# Altium PCB PCB_MAIN.PcbDoc (part 2 of 2)
Units mil, origin at the board's own origin, x right, y up, seen from the top; angles counter-clockwise.
Board outline 2354.33 x 2689.22 mil, 2 copper layers (Top Layer, Bottom Layer), stack 63.858 mil thick; 107 components, 70 nets, 334 pads, 370 vias.
Unrouted connection lines stored in the file: 1.
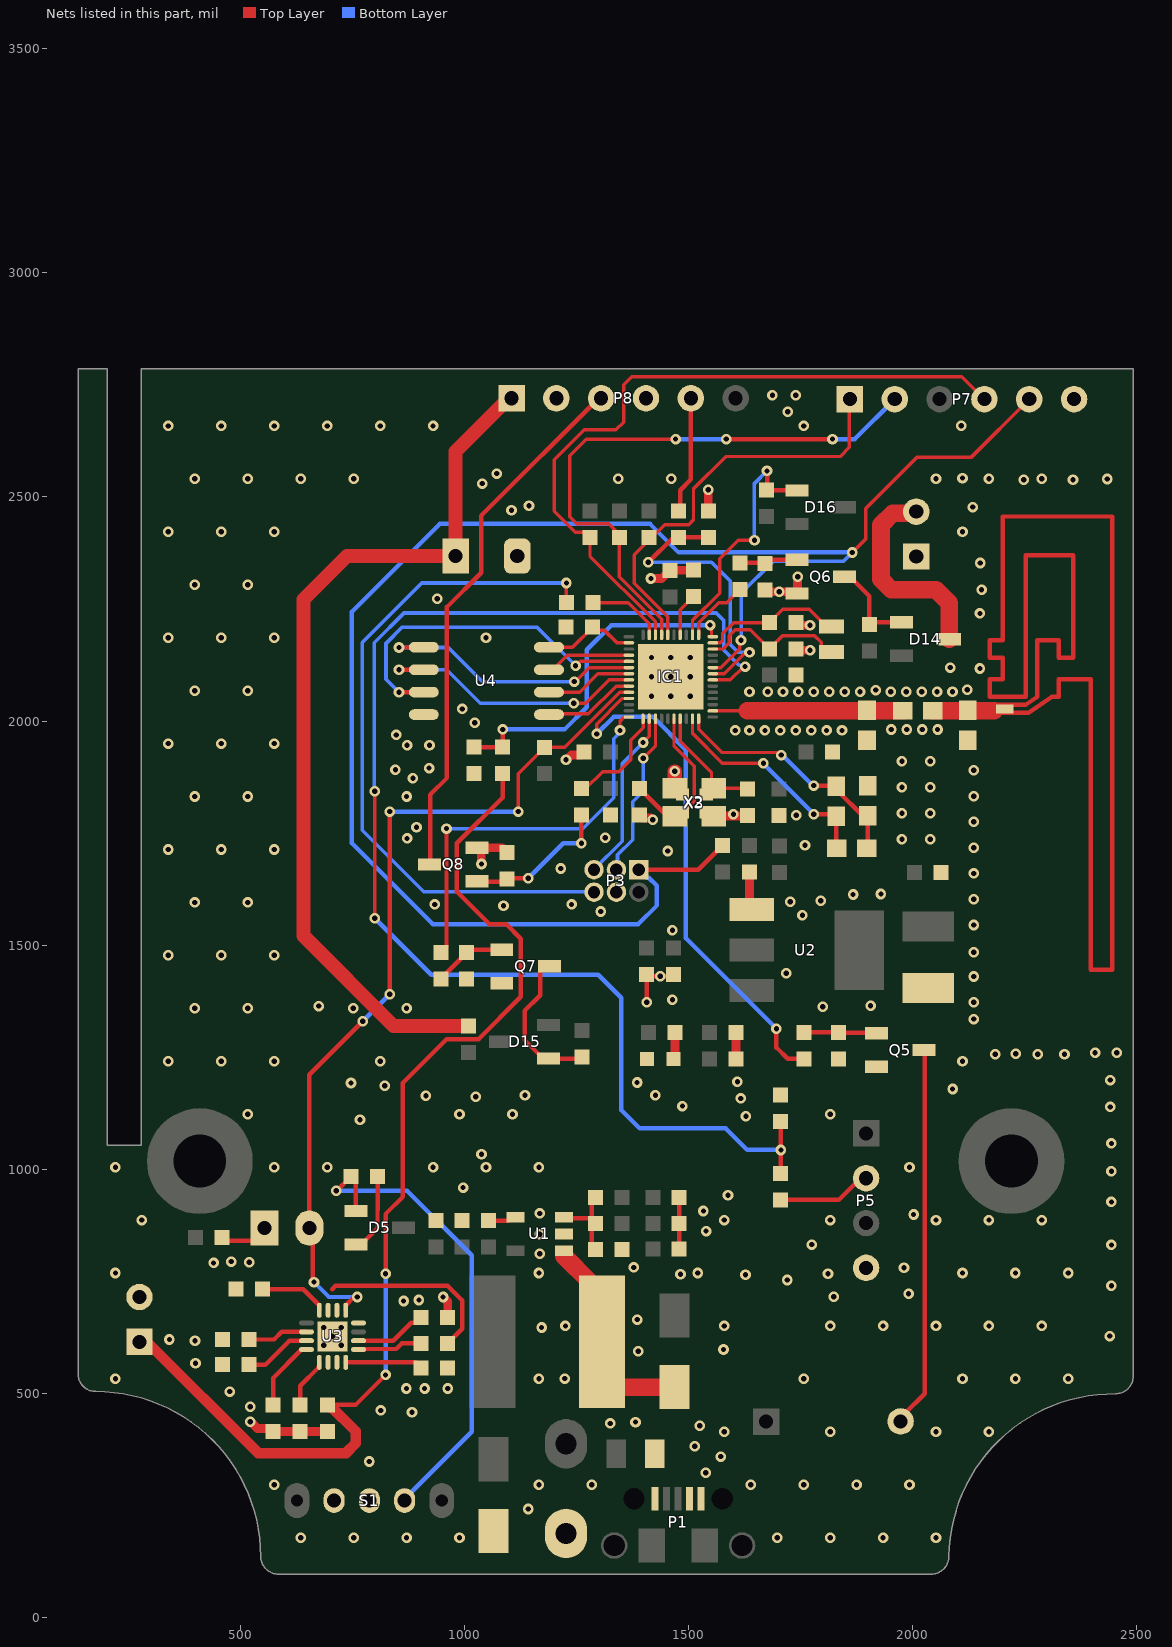
[diagram p2: the nets of this part, all layers, seen from the top]

## Via types
v1: diameter 23.62, hole 11.81, Top Layer to Bottom Layer, tented both sides, 350 vias
v2: diameter 23.62, hole 15.75, Top Layer to Bottom Layer, tented both sides, 19 vias
v3: diameter 27.56, hole 19.68, Top Layer to Bottom Layer, tented both sides, 1 vias

## Nets (pads, with @x,y where several pads share a name; then routed paths per layer and width w, separated by ;. In a path a pad name is that pad's centre, name@x,y a point inside that pad or via, vN(x,y) a via of type N, cw(c..) or ccw(c..) an arc to the next point about the centre after c; other vN are vias at no path point) (continued)
ADC_SS1: IC1.8 R50.1 R53.2 | length 658.2
  Top Layer w7.5: IC1.8@1554,2105.46 1579.53,2105.46 1627.08,2153 v1(1636,2153)
  Top Layer w7.99: R50.1@1481.17,2408.44 R50.1@1482.23,2409.5
  Top Layer w10: v1(1410,2354) 1464.44,2408.44 R50.1@1481.17,2408.44 ; R50.1@1482.23,2409.5 R53.2@1544,2409.5 1550,2409.5 R53.2@1551,2410.5
  Bottom Layer w7.99: v1(1410,2354) 1551,2354 1593.32,2311.68 1593.32,2170.19 1610.51,2153 v1(1636,2153)
ADC_SS2: IC1.7 R38.1 R39.2 | length 3026.3
  Top Layer w7.5: IC1.7@1554,2091.68 1592.98,2091.68 1622.73,2121.43 v1(1626,2121.43)
  Top Layer w7.87: v1(800,1560) v1(800,1843) ; R39.2@1704.73,1106.23 R39.2@1705,1106.5
  Top Layer w10: R39.2@1704.73,1106.23 1706,1104.96 v1(1706,1043) 1706,991.56 R38.1@1705,990.56
  Bottom Layer w7.87: v1(800,1843) 799,1844 799,2175 865,2241 1562,2241 1578,2225 1578,2159 1612.56,2124.44 1622.99,2124.44 v1(1626,2121.43)
  Bottom Layer w10: v1(800,1560) 926,1434 1298.82,1434 1350,1382.82 1350,1132 1391,1091 1583,1091 1631,1043 v1(1706,1043)
ADC_VBAT: IC1.14 R33.1 R35.2 | length 772.2
  Top Layer w7.5: v1(1548,2214) 1551,2211 1551,2188.13 IC1.14@1554,2188.13
  Top Layer w8: v1(1548,2214) v1@1548,2218
  Top Layer w10: R35.2@1021,1941.5 R33.1@1085.22,1941.5 v1(1085.22,1981.22)
  Bottom Layer w10: v1(1085.22,1981.22) 1223.22,1981.22 1273,2031 1273,2159 1328,2214 v1(1548,2214)
BUZZ: IC1.35 R43.2 | length 1183.5
  Top Layer w7.5: v1(1295,1971.26) 1295,1993 1352.34,2050.34 IC1.35@1366.99,2050.34
  Top Layer w10: v1(1696,1313.41) 1696,1271.44 1721,1246.44 1757.06,1246.44 R43.2@1758,1245.5
  Bottom Layer w10: v1(1295,1971.26) 1332.74,2009 1421,2009 1494,1936 1494,1515.88 1696.24,1313.64 v1(1696,1313.41)
CHAR: R13.2 U3.4 | length 173.5
  Top Layer w10: U3.4@735.15,569.28 891.22,569.28 R13.2@903.57,556.94
EN_SS: IC1.38 R47.2 | length 883.8
  Top Layer w7.5: v1(1347,1979) 1347,2000 1356,2009 IC1.38@1366.99,2009
  Top Layer w7.99: R47.2@947.23,1483.72 959.97,1496.45 v1(959.97,1760)
  Bottom Layer w7.99: v1(959.97,1760) 1264.16,1760 1333,1828.84 1333,1960.77 1347,1974.77 v1(1347,1979)
FAN: IC1.15 R44.2 | length 150.4
  Top Layer w7.5: IC1.15@1522.5,2192.08 1522.5,2219.14 1567.38,2264.02 1585.52,2264.02 R44.2@1615,2293.5
FB: C4.1 R1.1 R3.2 U1.3 | length 182.5
  Top Layer w10: U1.3@1222.13,893.02 1224.54,890.61 1280.78,890.61 R1.1@1283.49,887.9 ; R3.2@1283.49,821.62 R1.1@1283.49,878.88 ; C4.1@1283.49,936.88 R1.1@1283.49,887.9 ; R1.1@1292.51,878.88 R1.1@1283.49,887.9
GND: C1.1 C2.1 C3.1 C5.1 C6.1 C7.1 C8.1 C9.1 C10.1 C11.1 C12.1 C14.1 C15.1 C16.1 C17.1 C18.1 C19.1 C20.2 C22.1 C24.1 C25.1 C29.2 C31.2 C32.1 C33.1 C34.1 C35.1 C36.1 D2.1 D3.1 D6.2 IC1.49 P1.4 P1.5 P2.2 P3.4 P5.4 P6.1 P7.6 P8.2 P8.4 Q5.2 Q6.2 Q7.2 Q8.2 R3.1 R5.2 R8.2 R10.2 R11.1 R12.1 R13.1 R14.1 R18.2 R35.1 R39.1 R45.1 R46.1 R51.1 R52.1 R53.1 S1.2 S1.3 U1.2 U2.1 U3.8 U3.17 U4.4 X2.2 X2.4 X3.2 X3.4 | length 1207
  Top Layer w10: v1(1407,1372.44) 1407,1429.83 1406.39,1430.44 v1(1436.7,1430.44) C9.1@1467,1430.44 ; C1.1@1479.13,821.62 C2.1@1479.13,879.25 C3.1@1479.13,936.88
  Top Layer w19.68: v1(522,437) 523.07,437 538.1,421.96 566.2,421.96 R5.2@573.09,415.07 R8.2@633.53,415.07 C11.1@693.96,415.07 ; v1(952.25,715) 962.56,704.69 R12.1@962.56,669.5 ; Q8.2@1028.27,1717.4 Q8.2@1033.37,1717.4 ; v1(1038.06,1681) 1037.31,1681.75 1037.31,1713.46 Q8.2@1033.37,1717.4 ; R52.1@1095.12,1706.56 1084.28,1717.4 Q8.2@1033.37,1717.4 ; v1(1226.56,1913.62) 1227.63,1913.62 1238.12,1924.11 1259.58,1924.11 C14.1@1266.47,1931 ; C32.1@1390.85,1790.47 1397.74,1783.58 1415.35,1783.58 1418.93,1780 v1(1420,1780) ; v1(1416,2318) 1440.08,2318 C24.1@1458,2335.92 1458.29,2336.21 1510.44,2336.21 R18.2@1510.73,2336.5 ; v1(1469,1888) v1@1469.27,1887.73 ; R53.1@1544,2468.56 v1(1544,2516) ; 1555.89,1850.3 1556.16,1850.03 ; X2.2@1556.16,1787.03 1557.38,1788.25 1600,1788.25 1629.78,1788.25 C33.1@1631,1789.47 ; C7.1@1605.84,1246.12 C8.1@1605.84,1305.48 ; C12.1@1636,1663.5 1636,1584.55 U2.1@1641,1579.55 ; R46.1@1670.01,2292.44 1673.93,2288.52 v1(1702,2288.52) Q6.2@1743.05,2288.52 ; Q6.2@1743.07,2288.54 1743.07,2321.25 v1(1743.82,2322) ; C16.1@1749.88,2214.55 1750.64,2213.79 v1(1770.79,2213.79) ; 1758.23,2158 v1(1771,2158)
  Top Layer w31.5: X2.4@1469.27,1850.3 v1@1469.27,1887.73
  other v1: 634.68,178 752.79,178 870.9,178 989.01,178 1697.67,178 1815.78,178 1933.89,178 2052,178 1142.15,242 575.62,296.11 1166.17,296.11 1284.28,296.11 1638.61,296.11 1756.72,296.11 1874.83,296.11 1992.94,296.11 1538,323 787.79,347.96 1572,358.96 1514,381.96 1579.56,414.22 1815.78,414.22 2052,414.22 2170.11,414.22 1525,427.96 1325,433 1381.55,436 883,458 813,462 522,470 476.7,504 870.51,510.78 911,510.78 962.56,510.78 221.29,532.33 1166.17,532.33 1756.72,532.33 2111.06,532.33 2229.17,532.33 2347.28,532.33 1224,533 400,567 1387.98,594 1578,597.96 685.94,607.67 725.31,607.67 398.75,617.51 341.8,620.2 705.62,627.36 2439.81,627.87 685.94,647.04 725.31,647.04 1172,647.04 1225.23,650.44 1579.56,650.44 1815.78,650.44 1933.89,650.44 2052,650.44 2170.11,650.44 2288.22,650.44 1385.62,664.66 864.15,706.1 898.46,708.38 1824,715.55 1990.8,722.3 2443.29,740.15 1720,753 1627,764.96 1482,765.64 1811,767.15 221.29,768.55 1166.17,768.55 1520.5,768.55 2111.06,768.55 2229.17,768.55 2347.28,768.55 1980.67,780.22 1378,781 440.24,791 519.67,792.23 480,794 1168,811.25 2443.29,831.21 1775,832 1168,854.95 1539.02,862.03 280.35,886.66 1579.56,886.66 1815.78,886.66 2052,886.66 2170.11,886.66 2288.22,886.66 2002,899 1168.14,901.45 1533.07,906.9 2443.29,927.11 1588,942 996.85,959.1 2443.29,995.76 221.29,1004.77 575.62,1004.77 693.73,1004.77 929.95,1004.77 1048.06,1004.77 1166.17,1004.77 1992.94,1004.77 1038.06,1033.74 2443.29,1057.69 766.96,1110.32 1628,1118 516.57,1122.88 989.01,1122.88 1107.12,1122.88 1815.78,1122.88 2441,1139 1486.27,1141 1616.28,1158 1025,1161.96 914,1163.96 1135,1164.96 1426.07,1165.21 2089,1179 822,1186.1 746.94,1192.44 1385.05,1193.61 1609,1195 2441,1199 339.4,1240.99 457.51,1240.99 575.62,1240.99 811.84,1240.99 2111.06,1240.99 2183.87,1256.64 2229.65,1257.47 2278.85,1256.64 2338.74,1256.64 2406.82,1259.93 2455.1,1260 2136,1335.06 398.46,1359.1 516.57,1359.1 752,1359 870.9,1359.1 1799,1362.86 675,1364 1906,1365 2136,1372.44 1464,1378 2136,1429.94 1718,1437 339.4,1477.21 457.51,1477.21 575.62,1477.21 2136,1483.94 1464,1533 2136,1544.94 1754,1567 1304,1575 1087,1588 934,1590.87 1239,1590.87 398.46,1595.32 516.57,1595.32 1727,1597 1795,1599 2136,1602.45 1867,1613 1929.12,1614 2136,1659.95 1215,1671 1453.61,1710 339.4,1713.43 457.51,1713.43 575.62,1713.43 2136,1717.45 1759.81,1722.56 1976,1736 2039,1736 871.91,1738.05 1314,1739.63 893,1763 2136,1774.95 1740,1789.51 1600,1791.92 1976,1794 2039,1794 398.46,1831.54 516.57,1831.54 870.9,1831.54 2136,1832.45 1976,1852 2039,1852 885,1872 2136,1889.95 846,1891 921,1895 1976,1910 2039,1910 871.91,1946 921.97,1946 339.4,1949.65 457.51,1949.65 575.62,1949.65 848,1969 1604,1979 1636,1979 1670.36,1979 1704.73,1979 1739.09,1979 1773.46,1979 1807.82,1979 1842.18,1979 1952.36,1981 1986.73,1981 2021.09,1981 2055.46,1981 1023,1996 995,2027.02 1417.19,2055.26 1460.5,2055.26 1503.8,2055.26 1636,2065 1676.36,2065 1710.73,2065 1745.09,2065 1779.46,2065 1813.82,2065 1848.18,2065 1882.55,2065 1951.28,2065 1985.64,2065 2020,2065 2054.37,2065 2088.73,2065 398.46,2067.76 516.57,2067.76 1917.36,2069 2122,2070 1417.19,2098.57 1460.5,2098.57 1503.8,2098.57 2150,2117.22 2084,2119.24 1417.19,2141.87 1460.5,2141.87 1503.8,2141.87 339.4,2185.87 457.51,2185.87 575.62,2185.87 1048.06,2185.87 2150,2240 939,2273 2153.67,2293 398.46,2303.98 516.57,2303.98 2150.83,2352.45 339.4,2422.09 457.51,2422.09 575.62,2422.09 2111.06,2422.09 1105,2470 2134,2477.32 1144,2480 1039.96,2529.75 2247.46,2538 2357.71,2538 398.46,2540.2 516.57,2540.2 634.68,2540.2 752.79,2540.2 1343.34,2540.2 1461.45,2540.2 2052,2540.2 2170.11,2540.2 2288.22,2540.2 2434,2540 2111.06,2542 1072,2552 339.4,2658.31 457.51,2658.31 575.62,2658.31 693.73,2658.31 811.84,2658.31 929.95,2658.31 1756.72,2658.31 2108,2659 1721,2690 1687,2727 1739,2727
GPIO0: IC1.23 R16.2 | length 170
  Top Layer w7.5: R16.2@1286.5,2264 1365,2264 1412.27,2216.73 IC1.23@1412.27,2192.08
ISET: R5.1 U3.16 | length 161
  Top Layer w10: R5.1@573.09,474.13 573.09,534.31 635.82,597.04 636.61,597.83 U3.16@647.55,597.83
LCD: D16.1 IC1.16 R49.1 | length 567.1
  Top Layer w7.5: IC1.16@1508.72,2192.08 1508.72,2224.46 1569.75,2285.48 1569.75,2361.75 1611,2403 v1(1647,2403)
  Top Layer w10: v1(1674.98,2558) 1674.98,2516.54 R49.1@1674,2515.56 1675.16,2514.4 D16.1@1741.85,2514.4
  Bottom Layer w7.87: v1(1647,2403) 1647,2530.02 v1(1674.98,2558)
LED_SS1: IC1.39 R48.2 | length 239.6
  Top Layer w7.5: R48.2@1261,1848.5 1269.97,1848.5 1308.47,1887 1344,1887 1370.62,1913.62 1370.62,1957.54 1398.49,1985.41 IC1.39@1398.49,2005.06
LNA_IN: C35.2 IC1.2 R19.1 | length 422.4
  Top Layer w7.5: IC1.2@1556.09,2022.78 1631,2022.78
  Top Layer w39.37: 1631,2022.78 C35.2@1898,2022.78 ; C35.2@1898,2024 1898,2023 R19.1@1977.54,2023
MTDI: IC1.18 R18.1 | length 97.6
  Top Layer w7.5: IC1.18@1481.17,2192.08 1481.22,2192.14 1481.22,2247.93 R18.1@1510.73,2277.44
NetANT1_1: ANT1.1 C36.2 R19.2 | length 137.2
  Top Layer w39.37: R19.2@2044.46,2023 2181.66,2023
NetC29_1: C29.1 P8.1 R41.1 | length 1991.4
  Top Layer w31.5: R41.1@1008.58,1319.8 842.09,1319.8 641,1520.89 641,2271 738,2368 C29.1@980.1,2368 980.1,2601.1 P8.1@1106,2727
NetC30_1: C30.1 C31.1 IC1.48 R9.1 | length 558.8
  Top Layer w7.5: IC1.48@1522.5,2005.06 1522.5,1981.76 1574.65,1929.62 1701.38,1929.62 v1(1707,1924)
  Top Layer w10: v1(1779,1856) 1822.56,1856 1829.57,1848.99 1829.57,1847.02 1891.59,1785 1899.84,1785 C31.1@1899.84,1783.03 ; R9.1@1897.46,1716 1900,1718.54 C31.1@1900,1788.5
  Bottom Layer w7.87: v1(1707,1924) v1@1709,1924 ; v1@1777,1856 v1(1779,1856)
  Bottom Layer w10: v1@1709,1924 v1@1777,1856
NetC30_2: C30.2 IC1.47 R9.2 | length 506.9
  Top Layer w7.5: IC1.47@1508.72,2005.06 1508.72,1972.28 1575,1906 v1(1667,1906)
  Top Layer w7.87: C30.2@1819.63,1792 C30.2@1829.57,1782.06 ; R9.2@1829.73,1716.81 R9.2@1830.54,1716
  Top Layer w10: v1(1779,1792) C30.2@1819.63,1792 ; R9.2@1829.73,1716.81 C30.2@1829.73,1787.54
  Bottom Layer w7.87: v1@1667,1905 v1(1667,1906) ; v1@1780,1792 v1@1781,1792
  Bottom Layer w10: v1@1667,1905 v1@1780,1792
NetD1_1: D1.1 L1.2 U1.1 | length 467.6
  Top Layer w39.37: U1.1@1222.13,806.41 1281.55,746.99 1281.55,658.5 1313.05,627 1313.05,545.48 1344.54,513.98 D1.1@1469,513.98
NetD5_1: D5.1 R4.1 S1.1 | length 1098.5
  Top Layer w10: v1(714,952) 714.94,952 R4.1@746.94,984 757.85,973.09 D5.1@757.85,906.85
  Bottom Layer w10: v1(714,952) 872,952 1016,808 1016,414.37 866.53,264.9 S1.1@866.53,260.96
NetD5_2: D5.2 R4.2 R6.1 U3.10 U3.11 | length 595.1
  Top Layer w10: 704.82,732.6 711.9,739.68 962.47,739.68 994.82,707.34 994.82,643.87 R6.1@962.56,611.61 ; D5.2@757.85,832.05 769.66,832.05 806.01,868.39 806.01,907.45 807.06,908.51 807.06,982.94 R4.2@806,984
NetD6_1: D6.1 R7.2 | length 62.4
  Top Layer w19.68: D6.1@1466.53,1246.12 1469.54,1246.12 R7.2@1469.54,1305.48
NetD11_1: D11.1 R17.1 | length 109.9
  Top Layer w10: R17.1@457.56,840 527.5,840 554,866.5 D11.1@554,869
NetD14_1: D14.1 Q6.3 R40.1 | length 210.3
  Top Layer w10: Q6.3@1848.15,2322 1859.96,2322 1903.5,2278.46 R40.1@1903.5,2215.35 1908.34,2220.2 D14.1@1975.35,2220.2
NetD14_3: D14.3 P6.2 | length 467
  Top Layer w39.37: P6.2@2008,2467 2004.23,2463.23 1955.23,2463.23 1929.26,2437.26 1929.26,2316.06 1952.32,2293 2052,2293 2081.65,2263.35 D14.3@2081.65,2182.8
NetD15_1: D15.1 Q7.3 R42.1 | length 340.9
  Top Layer w10: Q7.3@1189.53,1452.62 1177.72,1452.62 1168.94,1443.84 1168.94,1388.47 1134,1353.53 1134,1288.31 1175.34,1246.97 D15.1@1187.15,1246.97 1258.16,1246.97 R42.1@1262,1250.81
NetF1_2: F1.2 P1.1
NetP3_6: P3.6 R16.1 | length 1554.1
  Top Layer w8: R16.1@1227.44,2264 v1(1227.44,2308)
  Bottom Layer w8: v1(1227.44,2308) 905,2308 772,2175 772,1756 908.99,1619.01 1292.96,1619.01 P3.6@1294.95,1621
NetP5_2: P5.2 R38.2 | length 217
  Top Layer w10: R38.2@1707,931.5 1835.33,931.5 P5.2@1898,994.17
NetP8_3: P8.3 Q8.3 | length 1209.1
  Top Layer w10: Q8.3@932.53,1679.66 924,1688.18 924,1836 961,1873 961,2254.5 1037.39,2330.88 1037.39,2458.39 P8.3@1306,2727
NetP8_5: P8.5 R50.2 | length 262.4
  Top Layer w10: R50.2@1481.17,2467.5 1481.17,2515.17 1505,2539 P8.5@1505,2720
NetQ5_1: Q5.1 R43.1 R45.2 | length 181.9
  Top Layer w10: R43.1@1758,1304.56 1758.94,1305.5 R45.2@1834.07,1305.5 ; R45.2@1845.64,1313.41 1835,1313.41 1838.12,1307.72 1839.64,1304.96 Q5.1@1924.85,1304.96
NetQ5_3: Q5.3 U6.2 | length 847.8
  Top Layer w10: U6.2@1965,455.5 1983,455.5 2026.68,499.18 Q5.3@2026.68,1267.22
NetQ6_1: Q6.1 R44.1 R46.2 | length 130.6
  Top Layer w10: R44.1@1615,2352.56 1668.94,2352.56 R46.2@1670.01,2351.5 1677.91,2359.4 Q6.1@1741.85,2359.4
NetQ7_1: Q7.1 R47.1 R51.2 | length 163.9
  Top Layer w10: R47.1@947.23,1424.66 993.08,1470.51 993.08,1471.98 R51.2@1004.81,1483.72 1011.12,1490.02 Q7.1@1083.23,1490.02
NetQ8_1: Q8.1 R48.1 R52.2 | length 332
  Top Layer w10: Q8.1@1028.27,1641.6 1089.22,1641.6 1096.62,1649 v1(1142.15,1649) ; v1(1261,1727) 1261,1789.53 1260.53,1790 R48.1@1261,1790.47
  Bottom Layer w10: v1(1142.15,1649) 1220.15,1727 v1(1261,1727)
NetR2_1: R2.1 U1.4 | length 64
  Top Layer w10: R2.1@1053.13,885.18 1098.16,885.18 1105.99,893.02 U1.4@1113.87,893.02
NetR6_2: R6.2 U3.5 | length 145.5
  Top Layer w10: U3.5@763.69,597.83 775.19,597.83 776.36,599 848,599 860.61,611.61 R6.2@903.51,611.61
NetR10_1: R10.1 U3.15 | length 150
  Top Layer w10: R10.1@519.67,564 555.99,564 609.5,617.51 U3.15@647.55,617.51
NetR11_2: R11.2 U3.12 | length 153
  Top Layer w10: R11.2@549.17,732.6 640.14,732.6 676.1,696.65 U3.12@676.1,685.43
NetR12_2: R12.2 U3.6 | length 161.3
  Top Layer w10: U3.6@763.69,617.51 841.07,617.51 881.32,657.77 891.78,657.77 R12.2@903.51,669.5
NetR14_2: R14.2 U3.14 | length 134.9
  Top Layer w10: R14.2@519.67,620.2 575.23,620.2 592.23,637.2 U3.14@647.55,637.2
NTC: R8.1 U3.1 | length 113.6
  Top Layer w10: R8.1@633.53,474.13 633.53,517.07 674.32,557.87 675.62,557.87 676.1,558.34 U3.1@676.1,569.28
"ON/OFF SS": IC1.22 P7.4 R34.1 | length 1602.9
  Top Layer w7.5: IC1.22@1426.05,2192.08 1426.05,2222.04 1280,2368.09 R34.1@1280,2409.5 1268.27,2421.24 1247.19,2421.24 1200,2468.43 1200,2583 1267,2650 1338,2650 1355,2667 1355,2750 1373.1,2768.1 2109.9,2768.1 P7.4@2160,2718
OSC32I: C16.2 IC1.13 X1.2 | length 320.8
  Top Layer w7.5: IC1.13@1554,2174.35 1571.17,2174.35 1575.56,2178.75 1575.56,2194.36 1600.48,2219.28 C16.2@1680.51,2219.28 1710.23,2249 1769.26,2249 1807.19,2211.07 X1.2@1819,2211.07
OSC32O: C15.2 IC1.12 X1.1 | length 352.4
  Top Layer w7.5: IC1.12@1554,2160.57 1576.48,2160.57 1591,2175.09 1591,2190.53 1604.09,2203.62 1637.89,2203.62 C15.2@1680.26,2161.26 ; C15.2@1680.51,2161.01 C15.2@1680.26,2161.26 ; X1.1@1829,2154.26 1807.85,2154.26 1796.12,2165.98 1796.12,2175.32 1780.91,2190.53 1709.53,2190.53 C15.2@1680.26,2161.26
OSC_N: C32.2 IC1.44 X2.1 X3.1 | length 344.1
  Top Layer w7.5: IC1.44@1467.39,2005.06 1467.39,1945.21 1513,1899.6 1513,1820.61 1499.26,1806.87 1496.3,1806.87 X3.1@1486.27,1796.84
  Top Layer w8: X2.1@1444.43,1795 1461.57,1795 X2.1@1469.54,1787.03
  Top Layer w10: C32.2@1390.85,1848.59 X2.1@1444.43,1795
OSC_P: C33.2 IC1.45 X2.3 X3.3 | length 267.7
  Top Layer w7.5: IC1.45@1481.17,2005.06 1481.17,1954.83 1551.23,1884.77 1551.23,1850.03 1556.16,1850.03 1632.08,1850.03 C33.2@1634.05,1848.06
RST: IC1.9 P3.1 P7.5 R15.1 | length 3885.9
  Top Layer w7.5: IC1.9@1554,2119.24 1571.97,2119.24 1613.99,2161.25 1613.99,2176.99 v1(1617,2180)
  Top Layer w7.87: v1(1865,2376) 1895,2406 1895,2474 2009,2588 2130,2588 P7.5@2260,2718
  Top Layer w10: P3.1@1389,1668.24 1521.68,1668.24 R15.1@1576,1722.56
  Bottom Layer w7.87: v1(1617,2180) 1617,2284.75 1688.25,2356 1845,2356 v1(1865,2376)
  Bottom Layer w10: P3.1@1389,1668.24 1406.72,1650.53 1411.47,1650.53 1429.52,1632.48 1429.52,1588.52 1388,1547 929,1547 749,1727 749,2244 944.6,2439.6 1414.07,2439.6 1477.67,2376 v1(1865,2376)
RX: IC1.40 P3.5 | length 387.9
  Top Layer w7.5: v1(1398.49,1952) 1412.27,1965.78 IC1.40@1412.27,2005.06
  Bottom Layer w7.87: P3.5@1289,1668.24 1289,1668.93 1351.62,1731.56 1351.62,1905.13 v1(1398.49,1952)
SCL: IC1.21 P7.2 R36.1 | length 1303.4
  Top Layer w7.5: IC1.21@1439.83,2192.08 1439.83,2227.36 1345,2322.18 1345,2416.5 1321.5,2440 1250.7,2440 1235,2455.7 1235,2592 1272,2629 v1(1471,2629)
  Top Layer w10: v1(1584,2629) v1(1821,2629)
  Bottom Layer w10: v1(1471,2629) v1(1584,2629) ; v1(1821,2629) 1871,2629 P7.2@1960,2718
SD_DT2: IC1.28 U4.7 | length 189.3
  Top Layer w7.5: U4.7@1192.9,2110 1229.69,2146.8 IC1.28@1366.99,2146.8
SD_DT3: IC1.29 U4.3 | length 772.9
  Top Layer w7.5: v1(1247.93,2123) 1257.94,2133.02 IC1.29@1366.99,2133.02
  Top Layer w10: v1(854,2064.45) U4.3@909.24,2064.45
  Bottom Layer w8: v1(854,2064.45) 825,2093.45 825,2173 861.56,2209.56 1161.37,2209.56 v1(1247.93,2123)
SDA: IC1.20 P7.1 R37.1 | length 931.9
  Top Layer w7.5: IC1.20@1453.61,2192.08 1453.61,2232.67 1379,2307.28 1379,2370.5 1415,2406.5 1446.5,2438 1500.27,2438 1511,2448.73 1511,2518 1583,2590 1838,2590 1858.32,2610.32 P7.1@1858.32,2713.68
SPI_CLK: IC1.31 U4.6 | length 186.7
  Top Layer w7.5: U4.6@1197.35,2064.45 1197.49,2064.32 1256.81,2064.32 1297.89,2105.39 1366.93,2105.39 IC1.31@1366.99,2105.46
SPI_CS: IC1.30 U4.1 | length 612.8
  Top Layer w7.5: v1(1245,2088) 1247,2088 1278.24,2119.24 IC1.30@1366.99,2119.24
  Top Layer w10: v1(854,2164) 908.78,2164 U4.1@909.24,2164.45
  Bottom Layer w8: v1(854,2164) 964,2164 1040,2088 v1(1245,2088)
SPI_MISO: IC1.32 U4.2 | length 620.7
  Top Layer w7.5: v1(1244,2039.7) 1270.96,2039.7 1322.94,2091.68 IC1.32@1366.99,2091.68
  Top Layer w10: v1(854,2114.45) U4.2@909.24,2114.45
  Bottom Layer w7.87: v1(854,2114.45) 960.55,2114.45 1035.3,2039.7 v1(1244,2039.7)
SPI_MOSI: IC1.33 U4.5 | length 202.2
  Top Layer w7.5: U4.5@1192.9,2010 1198.91,2016.01 1276.57,2016.01 1338.46,2077.9 IC1.33@1366.99,2077.9
STATUS: D11.2 IC1.34 R31.2 U3.9 | length 1977.1
  Top Layer w7.5: v1@1120,1801 1120,1882.43 R31.2@1179,1941.43 1179.07,1941.5 1223.5,1941.5 1346.12,2064.12 IC1.34@1366.99,2064.12
  Top Layer w10: v1(664.29,748.35) 661.68,750.96 661.68,861.32 D11.2@654,869 654,1211 v1(773,1330) ; U3.9@735.15,685.43 735.15,696.65 753.5,715 v1(760.52,715) ; v1(833.21,1390.21) v1(833.21,1798)
  Bottom Layer w10: v1(664.29,748.35) 697.64,715 v1(760.52,715) ; v1(773,1330) v1(833.21,1390.21) ; v1(833.21,1798) v1@1117,1798 ; v1(1120,1798) v1@1117,1798 ; v1@1120,1801 v1@1117,1798
TX: IC1.41 P3.3 | length 372.9
  Top Layer w7.5: v1(1399,1917) 1426.05,1944.05 IC1.41@1426.05,2005.06
  Bottom Layer w7.87: P3.3@1339,1668.24 1341.4,1670.64 1341.4,1701.71 1375.1,1735.41 1375.1,1820.03 1399,1843.94 v1(1399,1917)
VBAT: C11.2 P2.1 R33.2 U3.2 U3.3 | length 2509.8
  Top Layer w10: C11.2@693.96,474.13 756.95,474.13 v1(824.01,541.19) ; v1(824,767) 824,900 862.19,938.19 862.19,1192.44 959.99,1290.24 1031.42,1290.24 1125.83,1384.65 1125.83,1514.17 1093,1547 1055.54,1547 983,1619.54 983,1727.06 1085.22,1829.28 R33.2@1085.22,1882.44
  Top Layer w11.81: C11.2@693.96,474.13 C11.2@702.22,482.38
  Top Layer w23.62: P2.1@275,615 291.4,615 539.56,366.84 735.84,366.84 757.38,388.38 757.38,415.17 703.34,469.2 698.89,469.2 C11.2@693.96,474.13
  Bottom Layer w10: v1(824.01,541.19) v1@824.01,766.99
VDD_SDIO: C34.2 IC1.26 U4.8 | length 211.5
  Top Layer w7.87: U4.8@1188.76,2164.45 1240.94,2164.45 C34.2@1286,2209.52 1293.52,2202 1312.55,2202 1340.2,2174.35 IC1.26@1366.99,2174.35
pads on no net: IC1.5 IC1.6 IC1.10 IC1.11 IC1.17 IC1.24 IC1.25 IC1.27 IC1.36 IC1.42 M1.0 M2.0 P1.0 P1.2 P1.3 P1.10 P5.3 S1.0 U3.7

## Polygon pours and split planes (outlines as drawn)
GND on Top Layer "GND_L01_P002" (solid, remove dead copper, pour order 2): 2492.17,407.74 2492.17,2786.09 137.83,2786.09 137.83,407.78 ccw(c177.3,407.78) 149.39,379.87 ccw(c177.17,407.65) 177.17,368.37 177.2,368.37 231.27,361.99 283.27,342.74 330.3,310.78 373.65,260.04 401.77,195.48 409.49,136.09 418.08,111.54 427.52,103 443.86,97.04 448.86,96.72 2181.14,96.72 2209.01,108.28 2220.19,131.09 2224.78,180.41 2237.3,222.78 2254.88,257.68 2281.72,293.22 2317.47,324.88 2350.23,344.5 2386.14,358.6 2425.74,366.79 2452.8,368.37 2477.4,377.01 2488.4,390.94
+3V3 on Top Layer "Top Layer-+3V3" (solid, pour order 14): 1363.19,1472.44 1362.74,1472 1261,1472 1261,1513 1363.19,1513
GND on Bottom Layer "GND_L02_P012" (solid, remove dead copper, pour order 12): 2492.17,407.91 2492.17,2786.26 137.83,2786.26 137.83,407.94 ccw(c177.3,407.94) 149.39,380.04 ccw(c177.17,407.81) 177.17,368.54 177.2,368.54 231.27,362.16 283.27,342.91 330.3,310.95 373.65,260.2 401.77,195.65 409.49,136.25 418.08,111.71 427.52,103.17 443.86,97.2 448.86,96.88 2181.14,96.88 2209.01,108.44 2220.19,131.25 2224.78,180.58 2237.3,222.95 2254.88,257.85 2281.72,293.38 2317.47,325.05 2350.23,344.66 2386.14,358.77 2425.74,366.95 2452.8,368.54 2477.4,377.17 2488.4,391.1

## Keep-outs
Keep-Out Layer:
  lines w10: 545.31,136.09 ccw(c177.2,136.09) 177.2,504.2 cw(c177.2,543.57) 137.83,543.57 137.83,2786.09 202.62,2786.09 202.62,1054 279,1054 279,2786.09 2492.17,2786.09 2492.17,538 ; 545.43,136.25 ccw(c584.8,136.25) 584.8,96.88 2041.5,96.88 ccw(c2041.5,136.25) 2080.87,136.25 ; 2080.88,136.25 cw(c2448.64,131.07) 2453.12,498.83 ; 2453.12,499.12 ccw(c2452.63,538.49) 2492,538 ; 1477.83,57.35 1477.83,57.35

## Other copper
Top Layer:
  region net +3V3: 1546.13,2054.28 ccw(c1546.13,2050.34) 1542.19,2050.34 1542.19,2036.56 ccw(c1546.13,2036.56) 1546.13,2032.62 1561.87,2032.62 ccw(c1561.87,2036.56) 1565.81,2036.56 1565.81,2050.34 ccw(c1561.87,2050.34) 1561.87,2054.28
  region net +3V3: 1261,1513 1258,1513 1255,1510 1255,1478 1258,1475 1261,1475
  region net +3V3: 1602.53,2426.26 1613.5,2426.26 1782.69,2426.26 1782.69,2470.13 1775.5,2477.32 1592.5,2477.32 1592.5,2436.82 1600.5,2426.26
  region net +3V3: 1368,1475 1261,1475 1261,1513 1358.23,1513 1372.23,1499 1372.23,1478
  region net VBAT: 693.5,586.02 690.27,582.79 690.27,521.67 670.34,501.75 670.34,464.28 677.23,457.39 714.46,457.39 720.98,463.91 720.98,582.79 717.75,586.02
  pour cut-out: 2171.5,2477.53 2491.67,2477.53 2491.67,1262.47 2171.5,1262.47
  region net +5V_OUT: 1983.17,2090.31 2007,2114.14 2007,2159.04 1993.01,2173.03 1886.77,2173.03 1886,2117.86 1886,2097.81 1893.5,2090.31
  region net +5V_OUT: 1231,1363.23 1240.77,1373 1318,1373 1324,1367 1324,1338.91 1324,1304.82 1312.31,1293.14 1245.27,1293.14 1245.27,1333.2 1231,1347.47
  region net NetF1_2: 1397.4,306.27 1397.4,396.71 1406.9,406.21 1447.06,406.21 1456.5,396.77 1456.5,332.4 1434,311 1434,237.01 1431.2,234.21 1413.9,234.21 1411.9,236.21 1411.9,291.77
  region net +5V: 626.77,657 503,657 501,659 501,693 503,695 649,695 663,681 663,653.32 661.06,651.37 632.39,651.37
  region net NetD5_2: 778.81,855.66 787,847.47 787,813.57 780.43,807 740.61,807 720.98,787.37 720.98,671.92 717.75,668.69 691.88,668.69 690.27,670.31 690.27,671.92 690.27,839.08 706.84,855.66
Bottom Layer:
  region net +3V3: 1611.51,2539.44 1598.25,2539.44 1592.31,2533.5 1592.31,2435.5 1599.31,2428.5 1621.5,2428.5 1629,2436 1629,2532.81 1622.31,2539.5
  pour cut-out: 2171.5,2496.5 2492.17,2496.5 2492.17,1281.45 2171.5,1281.45
  region net +5V_OUT: 1996.94,2107.8 1996.94,2121.06 1991,2127 1893,2127 1886,2120 1886,2097.81 1893.5,2090.31 1990.31,2090.31 1997,2097
  region net +5V_OUT: 1437,1025 1433,1029 1433,1051 1437,1055 1541,1055 1544.78,1051.22 1544.78,1028.78 1541,1025
  region net +5V_OUT: 1240.47,1338 1283.53,1338 1292,1329.53 1292,1305.8 1298.82,1298.98 1318.16,1298.98 1324,1304.82 1324,1367 1318,1373 1240.77,1373 1231,1363.23 1231,1347.47

## Silkscreen, mask and mechanical layers (free items; w line width, h text height)
Top Overlay:
  lines w10: 202.62,1018 871.91,1018 871.91,2786.09 202.62,2786.09 ; 769.52,116.23 747.92,135.23 ; 769.52,154.24 747.92,135.23 ; 822.78,116.23 844.37,135.23 ; 822.78,154.24 844.37,135.23 ; 747.92,135.23 844.37,135.23
  text "DUST SENSOR" at 1164.41,2608.11 h59.06
  text "OLED BOARD" at 1958.48,2608.11 h59.06
  text "ESP32 MONITOR A0" at 2211.67,1949.09 h59.06 r270
  text "PW" at 1403.33,1172.09 h47.24
  text "GND" at 249,770 h47.24
  text "+BAT" at 245,539 h47.24
  text "OFF" at 651.42,115.76 h47.24
  text "ON" at 865.07,115.76 h47.24
Bottom Overlay:
  text "5V" at 1595.52,2615 h47.24 r270
  text "GND" at 1193.52,2591 h47.24 r270
  text "LED" at 1293,2591 h47.24 r270
  text "GND" at 1393.52,2591 h47.24 r270
  text "SDA" at 1848.52,2589 h47.24 r270
  text "SCL" at 1948.52,2589 h47.24 r270
  text "+3V3" at 2048.52,2589 h47.24 r270
  text "RST" at 2248.52,2589 h47.24 r270
  text "GND" at 2348.52,2589 h47.24 r270
  text "VLED" at 1093,2579.04 h47.24 r270
  text "DATA" at 1489.71,2568.74 h47.24 r270
  text "ON CB" at 2149.52,2545 h47.24 r270
  text "+5V" at 1847.17,1079.52 h47.24
  text "DATA" at 1847.17,979 h47.24
  text "GND" at 1847.17,779.52 h47.24

## Text inside footprints (layer, text, board x,y; h text height)
C29: Top Overlay "+" at 880,2265 h47.24 r180
P3: Top Overlay "1" at 1449,1698.24 h59.06 r180; Top Overlay "2" at 1449,1623.24 h59.06 r180; Top Overlay "5" at 1259,1693.24 h59.06 r180; Top Overlay "6" at 1259,1628.24 h59.06 r180
U6: Top Overlay "+" at 1728.5,409 h60